# Altium PCB DemetrioGurgel - PCEIoT.PcbDoc (part 2 of 3)
Units mm, origin at the board's own origin, x right, y up, seen from the top; angles counter-clockwise.
Board outline 125 x 60 mm, 4 copper layers (Top Copper, Top Ref, Botton Ref, Bottom Copper), stack 1.586 mm thick; 153 components, 92 nets, 439 pads, 736 vias.
Unrouted connection lines stored in the file: 62.
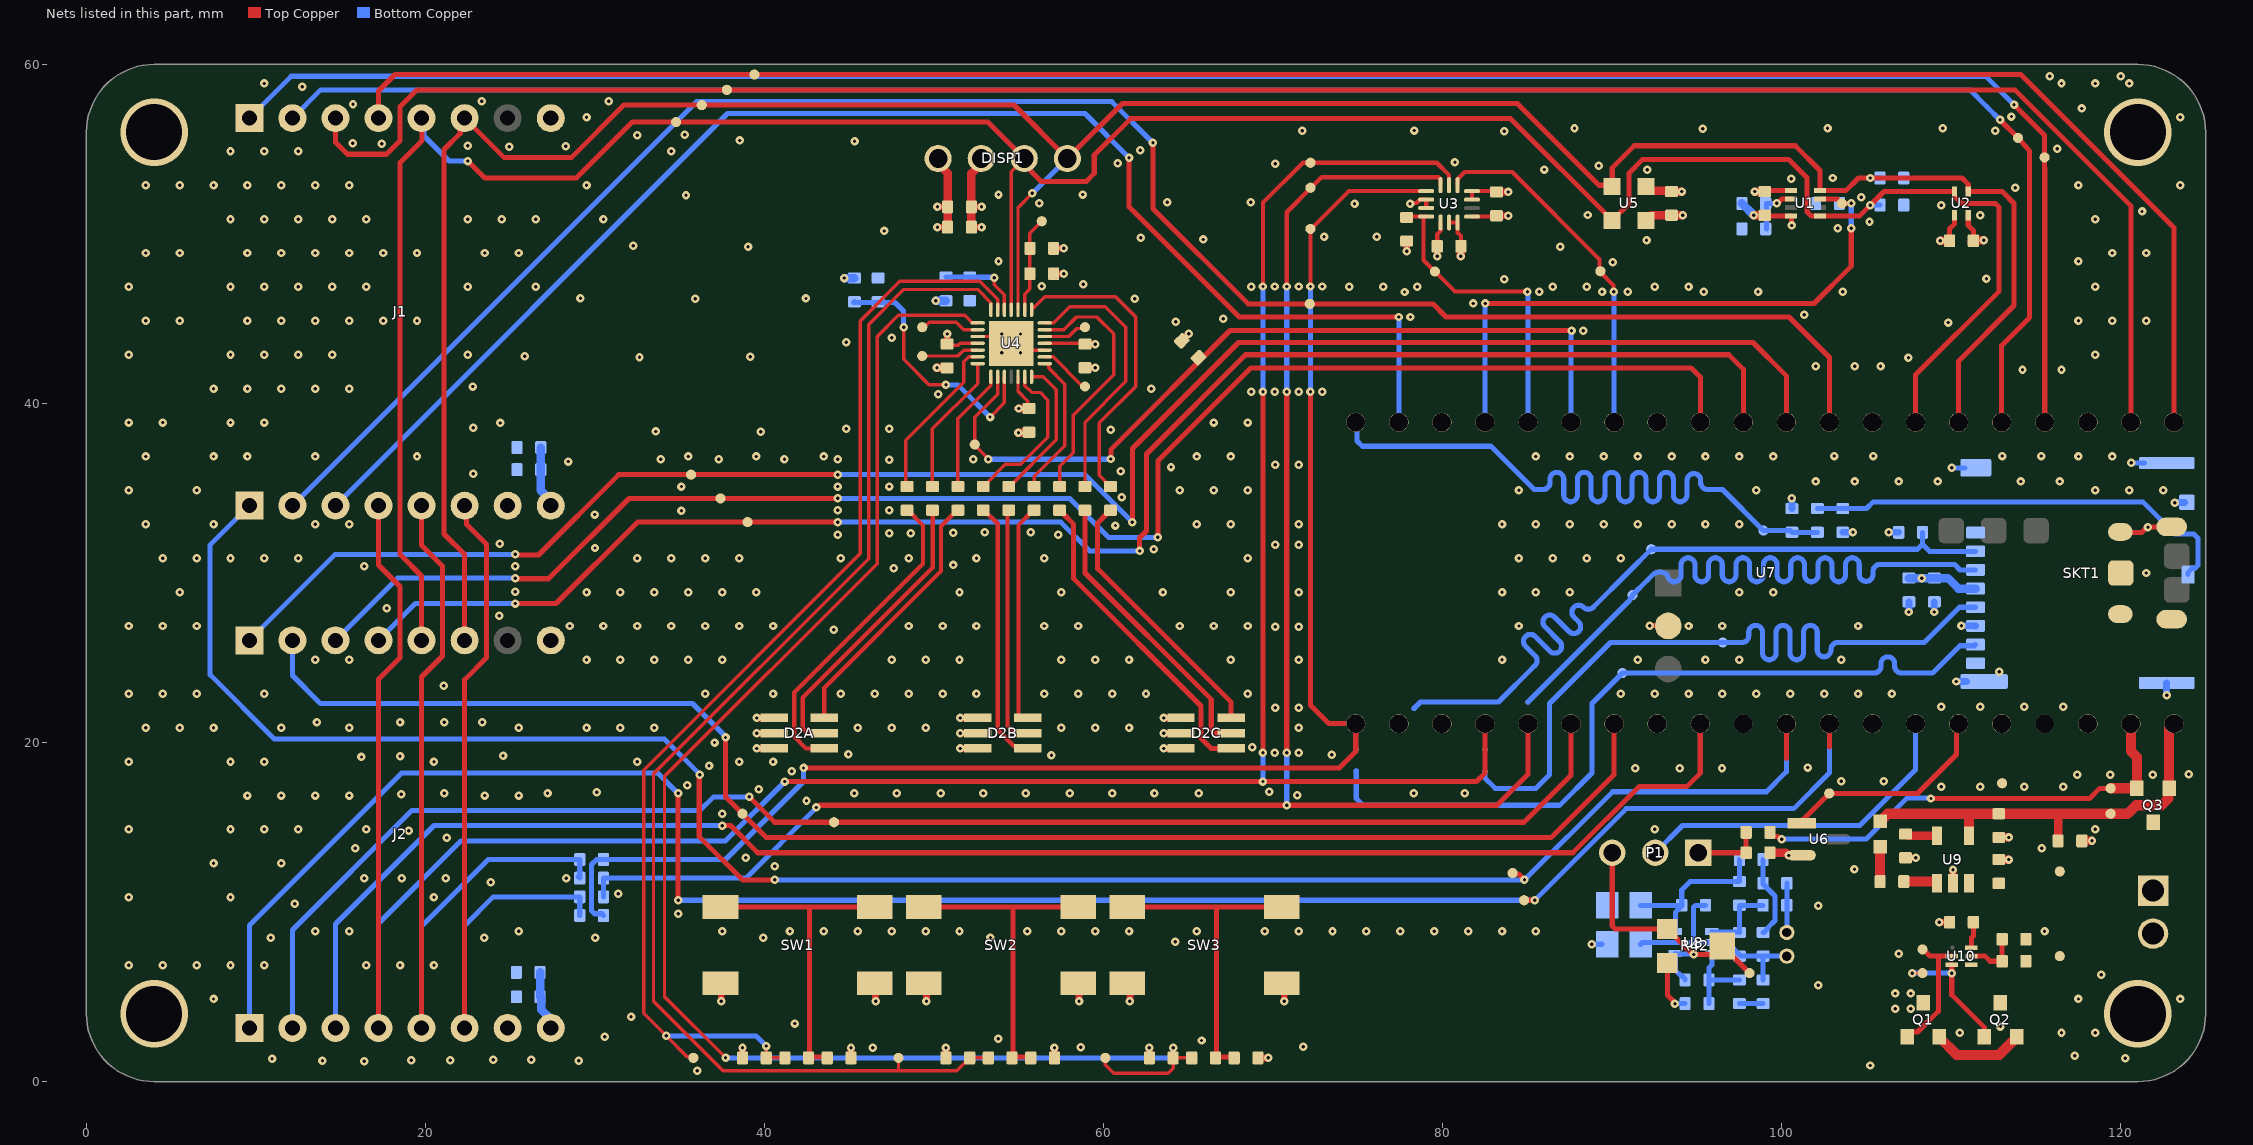
[diagram p4: the nets of this part, all layers, seen from the top]

## Part data
+3V3 AN1 AN2 BTN1 BTN2 BTN3 CLK COUT CS DI DO DOUT DT ICS IINT INT1 INT2 IO3 IO4 IO11 IO12 MISO MOSI OINT PWM1 PWM2 RST1 RST2 RX1 RX2 SCK SCL SDA SINT SOUT SRST TX1 TX2 VBAT+ VBAT- VBUS VREF VSYS: library part CMP-00028-00002-2, "0.6mm round", Pins=1
C1 C4 C5 C19: library part CMP-001-00084-1, "Multilayer Ceramic Capacitor, 0.01 uF, 50 V, ± 10%, X7R, 0603 [1608 Metric]", Case Code (Imperial)=0603, Case Code (Metric)=1608, Dielectric=X7R, Max Operating Temperature=125°C, Min Operating Temperature=-55°C, Package Quantity=1, Tolerance=10%, Voltage=50V, Case/Package=0603, Construction=Flat, Depth=0.8mm, Height=0.92mm, Lead Free="Lead Free", Length=1.6mm, Mounting Technology="Surface Mount", Packaging="Tape and Reel", Pins=2, Reach SVHC Compliant=Unknown, RoHS Compliant=Yes, Series=VJ, Termination=SMD/SMT, Thickness=0.036inch, Voltage Rating=50V, Voltage Rating (DC)=50V, Weight=7.1E-05oz, Width=0.031inch
C2 C3: library part CMP-001-00076-4, "Chip Capacitor, 4.7µF +/-20%, 10V, 0603, Thickness 1 mm", Case/Package=0603, Max Operating Temperature=85°C, Min Operating Temperature=-55°C, Tolerance=10%, Voltage Rating=10V, Mounting Technology=SMT, Pins=2
C6 C7 C9 C11 C12 C13 C14 C15 C16 C17 C18 C20 C21 C22 C23 C24 C25 C26 C27 C28 C29: library part CMP-001-00085-1, "Multilayer Ceramic Capacitor, 0.1 uF, 16 V, ± 20%, X7R, 0603 [1608 Metric]", Case Code (Imperial)=0603, Case Code (Metric)=1608, Dielectric=X7R, Dielectric Material=Tantalum, Max Operating Temperature=125°C, Min Operating Temperature=-55°C, Package Quantity=4000, Tolerance=20%, Voltage Rating=16V, Case/Package=0603, Construction=Flat, Depth=0.8mm, Height=0.95mm, Lead Free="Lead Free", Length=1.6mm, Mounting Technology="Surface Mount", Packaging="Tape and Reel", RoHS Compliant=Yes, Series=VJ, Termination=SMD/SMT, Voltage Rating (DC)=16V, Width=0.8mm
C30: library part CMP-001-00088-1, "Multilayer Ceramic Capacitor, 100 pF, 50 V, ï¿½ 10%, C0G (NP0), 0603 [1608 Metric]", Case Code (Imperial)=0603, Case Code (Metric)=1608, Dielectric=C0G, Dielectric Material=Ceramic, Max Operating Temperature=125°C, Min Operating Temperature=-55°C, Package Quantity=1, Temperature Coefficient=30ppm/°C, Tolerance=10%, Voltage Rating=50V, Case/Package=0603, Construction=Flat, Depth=0.8mm, Dissipation Factor=0.1%, Height=0.8mm, Lead Free="Lead Free", Lead Pitch=0.7mm, Length=1.6mm, Material=Ceramic, Mounting Technology="Surface Mount,PCB", Packaging="Tape and Reel", Radiation Hardening=No, Reach SVHC Compliant=No, RoHS Compliant=Yes, Series=C, Termination=SMD/SMT, Thickness=0.034inch, Voltage Rating (DC)=50V, Width=0.031inch
C31: library part CMP-001-00087-1, "Multilayer Ceramic Capacitor, 10 uF, 6.3 V, ± 20%, X5R, 0603 [1608 Metric]", Case Code (Imperial)=0603, Case Code (Metric)=1608, Dielectric=X5R, Max Operating Temperature=85°C, Min Operating Temperature=-55°C, Package Quantity=4000, Tolerance=20%, Voltage Rating=6.3V, Case/Package=0603, Height=0.8mm, Lead Free="Lead Free", Length=1.6mm, Mounting Technology="Surface Mount", Packaging="Cut Tape", RoHS Compliant=Yes, Series=GRM, Termination=Standard, Voltage Rating (DC)=6.3V, Weight=0.000222oz, Width=0.8mm
D2A D2B D2C: library part CMP-007-00036-1, "LED Tri-Color Blue/Green/Red 469nm/529nm/623nm Chip LED 6-Pin PLCC T/R", Case/Package=PLCC, Color=Blue,Green,Red, Forward Current=20mA, Forward Voltage=3.1V, Max Operating Temperature=100°C, Min Operating Temperature=-40°C, Package Quantity=2000, Reverse Voltage=4V, Contact Plating=Silver, Dominant Wavelength=469nm, Height=2mm, Length=3mm, Lens Size=2.3mm, Lens Style=Flat,Square,Diffused,Rectangular, Lens Transparency=Diffused, Luminous Intensity=384mcd, Mounting Technology="Surface Mount", Number of LEDs=3, Orientation="Top View", Packaging="Cut Tape", Pins=6, Reach SVHC Compliant=No, Series=-, Test Current=20mA, Viewing Angle=120°, Weight=40mg, Width=2.8mm
DISP1: library part CMP-003-00030-5, "0.96 Inch I2C OLED Display Module"
DS1: library part CMP-007-00004-2, "Chip LED, Red, 5 V, 25 mA, -40 to 85 degC, 2-Pin SMD (0603), RoHS, Tape and Reel", Case/Package=0603, Colour=Red, Forward Voltage=2.2V, Manufacturer="Everlight Electronics", Package Description="2-Pin Surface Mount Device, Body 1.6 x 0.8 mm", Datasheet URL=https://datasheet.ciiva.com/4688/el-19-217-r6c-al1m2vy-3tpdf-187026-4688713.pdf, Datasheet Version="Rev. 1, 01/2005", Lens Style=Clear, Manufacturer URL=http://www.everlight.com/, Mounting Technology=SM, Package Reference=0603, RoHS Compliant=False
J1 J2: library part CMP-002-00071-3, "MikroBus shield pico"
J3: library part CMP-002-00073-1, "Connector 250V AC/DC 5A 2P 1 Row PCB - Vertical Mounting Polyester White", Color=Beige, Contact Current Rating=5A, Flammability Rating="UL94 V-0", Housing Color=Natural, Max Operating Temperature=221°C, Min Operating Temperature=-67°C, Operating Supply Voltage=250V, Package Quantity=5000, Approvals=CSA, Backwall/Post Interruptions="No (Without)", Circuit Application=Signal, Connector System=Wire-to-Board, Connector Type=Connector,Pin,Plug,Header, Contact Material="Copper Alloy", Contact Mating Length=7.49mm, Contact Plating=Tin, Contact Post Length=3.56mm, Contact Retention="No (Without)", Contact Shape=Square, Contact Style=Straight, Current Rating=5A, Gender=Male, Height=7.87mm, Housing Material=Polyester, Lead Free="Lead Free", Length=7.62mm, Mating Alignment="No (Without)", Mating Connector Lock="Yes (With)", Mating Retention="No (Without)", Mounting Ears="No (Without)", Mounting Technology="Through Hole", Number of Contacts=2, Number of Positions=2, Number of Rows=1, Orientation=Straight, Panel Mount Retention="No (Without)", PCB Mount Alignment="No (Without)", PCB Mount Retention=Without, PCB Mounting Orientation=Vertical, PCB Thickness=0.063inch, Pitch=2.54mm, Plating=Tin, Plating Thickness=3.81um, Reach SVHC Compliant=Unknown, RoHS Compliant=Yes, Sealable="No (Without)", Series=MTA-100, Shrouded="No (Without)", Strain Relief="No (Without)", Tail Length=0.14inch, Termination=Solder, Voltage Rating=250V, Voltage Rating (AC)=250V, Voltage Rating (DC)=250V
L1 L2: library part CMP-006-00000-3, "IND, Chip Ferrite Bead, 330 Ohm, +/- 25%, 1.5 A, -55 to 125 degC, 0805 (2012 Metric), Tape and Reel", Case/Package=0805, Current Rating=1.5A, Manufacturer=Murata, Max Operating Temperature=125°C, Min Operating Temperature=-55°C, Package Description="2-Pin Surface Mount Device, Body 2 x1.25 mm", Package Quantity=4000, Resistance=90mohm, Tolerance=25%, Core Material=Ferrite, Datasheet URL=http://psearch.en.murata.com/inductor/product/LQG15HS15NJ02_.pdf, Datasheet Version=Nov-11, Impedance=330Ohm, Max Current Rating=1.5A, Mounting Technology=SM, Package Reference=0805, Packaging=TapeandReel, RoHS Compliant=True
MK1: library part CMP-010-000001-2, "4.0 mm, Omnidirectional, PCB Mount, 2.0 Vdc, Elecret Condenser Microphone", Clock Frequency=10kHz, Frequency=100Hz, Operating Supply Current=500uA, Operating Supply Voltage=2V, Package=None, Availability=Unavailable, Component Type=Standard, Design Item ID=CMEJ-0415-42-LP, Direction=Omnidirectional, Height=1.5mm, Length=4mm, MF="{'manufacturer': u'CUI'}", MP=CMEJ-0415-42-LP, Output Type=Analog, Pin Count=2, Price=None, Series=CMEJ, Shape=Circular, Source=CMEJ-0415-42-LP.SchLib, Termination="PC Pins", Voltage Rating=2V, Width=4mm
NT1 NT2 NT3 NT4: library part CMP-001-0003-6, "Net Tie 0.3mm"
P1: library part CMP-002-00076-1, "KK 254 Breakaway Header Vertical 3 Circuits 0.38um Gold Selective Plating Mating Pin 6.09mm", Color=Black, Contact Resistance=20mR, Current Rating=4A, Flammability Rating="UL94 V-0", Max Operating Temperature=75°C, Max Voltage Rating (AC)=250V, Min Operating Temperature=0°C, Package Quantity=1, Contact Material=Brass,Bronze, Contact Mating Length=0.24inch, Contact Plating=Gold, Contact Type="Male Pin", Depth=2.49mm, Gender=Male, Glow Wire Compliant=Non-compliant, Housing Color=Black, Housing Material=Nylon, Lead Free="Lead Free", Max Voltage Rating (DC)=250V, Mounting Technology="Through Hole", Number of Circuits=3, Number of Contacts=3, Number of Positions=3, Number of Rows=1, Orientation=Straight, Packaging=Bulk, Pitch=2.54mm, Radiation Hardening=No, Reach SVHC Compliant=Unknown, RoHS Compliant=Yes, Series="KK® 42375", Termination=Solder, Voltage Rating=250V, Voltage Rating (DC)=250V
Q1 Q2 Q3: library part CMP-013-00034-1, "NTRV4101PT1G P-channel MOSFET Transistor; 1.7 A; 20 V; 3-Pin SOT-23", Case/Package=SOT-23-3, Continuous Drain Current (ID)=3.2A, Drain to Source Resistance=70mR, Drain to Source Voltage (Vdss)=20V, Gate to Source Voltage (Vgs)=8V, Input Capacitance=675pF, Max Operating Temperature=150°C, Max Power Dissipation=420mW, Min Operating Temperature=-55°C, Package Quantity=3000, Power Dissipation=1.25W, Element Configuration=Single, Fall Time=21ns, Height=1.01mm, Lead Free="Lead Free", Length=3.04mm, Number of Elements=1, Packaging="Tape and Reel", Pins=3, Polarity=P-CHANNEL, Radiation Hardening=No, Rds On Max=85mR, Rise Time=12.6ns, RoHS Compliant=Yes, Series=-, Turn-Off Delay Time=30.2ns, Turn-On Delay Time=7.5ns, Width=1.4mm
R1 R38 R41 R45: library part CMP-009-00014-6, "Chip Resistor, 1 KOhm, +/-1%, 0.1 W, -55 to 155 degC, 0603 (1608 Metric)", Case/Package=0603, Max Operating Temperature=155°C, Min Operating Temperature=-55°C, Power=100mW, Tolerance=1%, Voltage Rating=50V, Mounting Technology=SM, Pins=2, RoHS Compliant=True
R2 R3 R4 R8 R11 R12 R13 R14 R18 R21 R22 R23 R26 R27 R36 R37 R44: library part CMP-009-00017-7, "Chip Resistor, 10 KOhm, +/- 1%, 01 W, -55 to 155 degC, 0603 (1608 Metric)", Case/Package=0603, Max Operating Temperature=155°C, Min Operating Temperature=-55°C, Power=100mW, Tolerance=1%, Voltage Rating=50V, Mounting Technology=SM, Pins=2, RoHS Compliant=True
R5 R6 R7 R9 R10 R19 R20 R24 R30 R31: library part CMP-009-00006-6, "Chip Resistor, 0 Ohm, 0.1 W, -55 to 155 degC, 0603 (1608 Metric)", Case/Package=0603, Max Operating Temperature=155°C, Min Operating Temperature=-55°C, Power=100mW, Tolerance=5%, Voltage Rating=50V, Mounting Technology=SM, Pins=2, RoHS Compliant=True
R15A R15B R15C: library part CMP-009-00179-1, "SMD Chip Resistor, 150 Ohm, ± 1%, 100 mW, 0603 [1608 Metric], Thick Film, General Purpose", Case Code (Imperial)=0603, Case Code (Metric)=1608, Max Operating Temperature=155°C, Max Power Dissipation=100mW, Min Operating Temperature=-55°C, Package Quantity=5000, Ratings=AEC-Q200, Resistance Tolerance=1%, Resistor Type="Thick Film", Temperature Coefficient=100ppm/°C, Voltage Rating=75V, Case/Package=0603, Construction=Rectangular, Contact Plating=Tin, Depth=0.85mm, Features="Automotive AEC-Q200", Height=0.45mm, Lead Free="Lead Free", Length=1.55mm, Military Standard=Not, Number of Terminations=2, Packaging="Tape and Reel", Power Rating=100mW, Radiation Hardening=No, Reach SVHC Compliant=Unknown, RoHS Compliant=Yes, Series=CRCW, Technology="THICK FILM", Termination=SMD/SMT, Tolerance=1%, Voltage Rating (DC)=75V, Weight=7.1E-05oz, Width=0.85mm
R16A R16B R16C R17A R17B R17C: library part CMP-009-00180-1, "SMD Chip Resistor, 50 Ohm, ± 1%, 100 mW, 0603 [1608 Metric], Thick Film, General Purpose", Case Code (Imperial)=0603, Case Code (Metric)=1608, Max Operating Temperature=155°C, Max Power Dissipation=100mW, Min Operating Temperature=-55°C, Package Quantity=5000, Resistance Tolerance=1%, Resistor Type="Thick Film", Temperature Coefficient=100ppm/°C, Voltage Rating=75V, Case/Package=0603, Contact Plating=Tin, Depth=0.85mm, Features="Automotive AEC-Q200", Height=0.45mm, Lead Free="Lead Free", Length=1.55mm, Number of Terminations=2, Packaging="Tape and Reel", Pins=2, Power Rating=100mW, Radiation Hardening=No, Reach SVHC Compliant=No, RoHS Compliant=Yes, Series=CRCW, Technology="THICK FILM", Termination=SMD/SMT, Tolerance=1%, Voltage Rating (DC)=75V, Weight=7.1E-05oz, Width=0.85mm
R32: library part CMP-009-00181-1, "SMD Chip Resistor, 2 kOhm, ï¿½ 1%, 100 mW, 0603 [1608 Metric], Thick Film, Precision", Case Code (Imperial)=0603, Case Code (Metric)=1608, Max Operating Temperature=155°C, Max Power Dissipation=100mW, Min Operating Temperature=-55°C, Package Quantity=1, Resistance Tolerance=1%, Resistor Type="Thick Film", Temperature Coefficient=100ppm/°C, Voltage Rating=75V, Voltage Rating (DC)=50V, Case/Package=0603, Construction=Rectangular, Contact Plating=Tin, Depth=0.8mm, Features="Automotive AEC-Q200", Height=0.022inch, Lead Free="Lead Free", Length=1.6mm, Military Standard=Not, Mounting Technology="Surface Mount", Number of Terminations=2, Packaging="Tape and Reel", Pins=2, Power Rating=100mW, Radiation Hardening=No, Reach SVHC Compliant=No, RoHS Compliant=Yes, Series=ERJ, Termination=SMD/SMT, Tolerance=1%, Width=0.8mm
R33: library part CMP-009-00182-1, "Res Thick Film 0603 470 Ohm 5% 0.1W(1/10W) ±200ppm/°C Pad SMD Automotive T/R", Case Code (Imperial)=0603, Case Code (Metric)=1608, Max Operating Temperature=155°C, Max Power Dissipation=100mW, Min Operating Temperature=-55°C, Package Quantity=5000, Ratings=AEC-Q200, Resistance Tolerance=5%, Resistor Type="Thick Film", Temperature Coefficient=200ppm/°C, Voltage Rating=75V, Case/Package=0603, Construction=Rectangular, Contact Plating=Tin, Depth=0.85mm, Features="Automotive AEC-Q200", Height=0.45mm, Lead Free="Lead Free", Length=1.55mm, Military Standard=Not, Number of Terminations=2, Packaging="Tape and Reel", Power Rating=100mW, Radiation Hardening=No, Reach SVHC Compliant=Unknown, RoHS Compliant=Yes, Series=CRCW, Technology="THICK FILM", Termination=SMD/SMT, Tolerance=5%, Weight=7.1E-05oz, Width=0.85mm, Working Voltage=75V
R34: library part CMP-009-00184-1, "SMD Chip Resistor, 330 Ohm, ± 1%, 100 mW, 0603 [1608 Metric], Thick Film, Precision", Case Code (Imperial)=0603, Case Code (Metric)=1608, Current Rating=500mA, Max Operating Temperature=155°C, Max Power Dissipation=100mW, Min Operating Temperature=-55°C, Package Quantity=5000, Resistance Tolerance=1%, Resistor Type="Thick Film", Temperature Coefficient=100ppm/°C, Voltage Rating=75V, Case/Package=0603, Construction=Rectangular, Contact Material=Copper, Contact Plating=Tin, Depth=0.8mm, Features="Automotive AEC-Q200", Gender=Male, Height=0.45mm, Lead Free="Lead Free", Lead Pitch=1.1mm, Length=1.6mm, Military Standard=Not, Mounting Technology="Surface Mount", Number of Terminations=2, Packaging="Tape and Reel", Pins=2, Power Rating=100mW, Radiation Hardening=No, Reach SVHC Compliant=No, RoHS Compliant=Yes, Series=ERJ, Termination=SMD/SMT, Tolerance=1%, Voltage Rating (DC)=75V, Weight=7.1E-05oz, Width=0.8mm
R35 R43: library part CMP-009-00186-1, "SMD Chip Resistor, 2.2 kOhm, ± 1%, 100 mW, 0603 [1608 Metric], Thick Film, General Purpose", Case Code (Imperial)=0603, Case Code (Metric)=1608, Max Operating Temperature=155°C, Max Power Dissipation=100mW, Min Operating Temperature=-55°C, Package Quantity=10, Ratings=AEC-Q200, Resistance Tolerance=1%, Resistor Type="Thick Film", Temperature Coefficient=100ppm/°C, Voltage Rating=75V, Case/Package=0603, Construction=Rectangular, Contact Plating=Tin, Depth=0.85mm, Features="Automotive AEC-Q200", Height=0.45mm, Lead Free="Lead Free", Length=1.55mm, Military Standard=Not, Number of Terminations=2, Packaging="Tape and Reel", Power Rating=100mW, Radiation Hardening=No, Reach SVHC Compliant=Unknown, RoHS Compliant=Yes, Series=CRCW, Technology="THICK FILM", Termination=SMD/SMT, Tolerance=1%, Voltage Rating (DC)=75V, Weight=7.1E-05oz, Width=0.033inch
R39 R40: library part CMP-009-00023-6, "Chip Resistor, 100 KOhm, +/- 1%, 0.1 W, -55 to 155 degC, 0603 (1608 Metric)", Case/Package=0603, Max Operating Temperature=155°C, Min Operating Temperature=-55°C, Power=100mW, Tolerance=1%, Voltage Rating=50V, Mounting Technology=SM, Pins=2, RoHS Compliant=True
R42: library part CMP-009-00187-1, "Cermet trimmer potentiometer, 100 kΩ, 0.1 W, SMD, on top, TC33X-2-104E", Max Operating Temperature=100°C, Max Power Dissipation=100mW, Min Operating Temperature=-40°C, Package Quantity=1, Resistance Tolerance=25%, Resistor Type=Carbon,Cermet, Temperature Coefficient=250ppm/°C, Voltage Rating (DC)=50V, Depth=3.8mm, Height=0.047inch, Length=0.15inch, Military Standard=Not, Mounting Technology="Surface Mount", Number of Turns=1, Packaging="Tape and Reel", Pins=2, Power Rating=100mW, Radiation Hardening=No, Reach SVHC Compliant=No, RoHS Compliant=Yes, Series=TC33, Termination="Foot Print", Tolerance=25%, Weight=29.4mg, Width=0.118inch
SKT1: library part CMP-002-00049-5, "Micro SD Card Connector, Pitch 1.1 mm, 8 Position, Height 1.4 mm, -25 to 85 degC, RoHS, Tape and Reel", Pins=14
SW1 SW2 SW3: library part CMP-011-00013-1, "Switch Tactile OFF (ON) SPST Round Button Gull Wing 0.05A 12VDC 1.57N SMD Loose Piece", Case/Package=SMD/SMT, Color=Black, Contact Current Rating=50mA, Insulation Resistance=100MR, Max Operating Temperature=85°C, Min Operating Temperature=-35°C, Operating Force=1.57N, Package Quantity=750, Voltage Rating=24V, Actuator Length=1.4mm, Actuator Material=Polyphenylene, Actuator Type=Standard, Contact Material="Copper Alloy,Silver", Contact Plating=Silver, Current Rating=50mA, Depth=10mm, ELV=Compliant, Illumination Type=Non-Illuminated,Illuminated, Lead Free="Lead Free", Length=6mm, Max Current Rating=50mA, Mechanical Life=100000Cycles, Mounting Technology="Surface Mount", Orientation=Straight, Packaging=Bulk, Reach SVHC Compliant=Unknown, RoHS Compliant=Yes, Series=FSMJSMA, Switch Function=Off-Mom, Switch Travel=0.25mm, Termination="Gull Wing", Throw Configuration=SPST, Voltage Rating (DC)=24V, Width=6mm
U1: library part CMP-010-00031-2, "High-speed high-precision digital ambient light sensor (ALS) 8-SOT-5X3 -40 to 85", Height=600um, Length=2.1mm, Pins=8, Thickness=550um, Width=1.2mm
U2: library part CMP-010-00033-3, "Humidity And Temperature Sensor"
U3: library part CMP-010-00032-3, "Mems Module, 1.71-3.6 V, Lga-14 Rohs Compliant: Yes", Min Operating Temperature=-40°C, Length=2.5mm, Width=3mm
U4: library part CMP-016-00011-5, "IC Gpio Expander I2C 16CH 28QFN / I2C Interface 5.5V 28-PIN Qfn-ut Ep T/r", Case/Package=QFN, Frequency=400kHz, Max Operating Temperature=85°C, Min Operating Temperature=-40°C, Interface=I2C, Lead Free="Lead Free", Mounting Technology="Surface Mount", Number of I/Os=16, Packaging="Cut Tape", Pins=28, RoHS Compliant=Yes, Series=-
U5: library part CMP-010-00027-2, "Pressure Sensor, Barometric, 300 mbar, 1200 mbar, QFN, 8, -40 C", Case/Package=QFN, Max Operating Temperature=85°C, Max Supply Voltage=3.6V, Min Operating Temperature=-40°C, Min Supply Voltage=1.8V, Supply Current=20.09uA, Height=1mm, Lead Free="Lead Free", Packaging="Cut Tape", Pins=8, Pressure Type=Barometric, Reach SVHC Compliant=No, RoHS Compliant=Yes
U6: library part CMP-004-00033-1, "LM4040 Series 2.5 V ±1 % Precision Micropower Shunt Voltage Reference - SOT-23", Case/Package=SOT-23, Cathode Current=70uA, Current Rating=15mA, Max Operating Temperature=85°C, Max Output Voltage=2.5V, Min Operating Temperature=-40°C, Output Voltage=10V, Package Quantity=3000, Supply Current=500nA, Temperature Coefficient=150ppm/°C, Tolerance=1%, Height=1.01mm, Lead Free="Lead Free", Length=2.92mm, Max Output current=15mA, Min Output Voltage=2.5V, Mounting Technology="Surface Mount", Output Current=15mA, Output Type=Fixed, Packaging="Tape and Reel", Pins=3, Radiation Hardening=No, Reach SVHC Compliant=No, Reference Type=Shunt, Reference Voltage=2.5V, RoHS Compliant=Yes, Series=-, Width=1.3mm
U7: library part CMP-006-000001-6, "Raspberry Pi Pico W RP2040", Package=None, Availability="In Stock", Check_prices=https://www.snapeda.com/parts/SC0918/Raspberry+Pi/view-part/?ref=eda, Component Type=Standard, Design Item ID=SC0918, MF="Raspberry Pi", MP=SC0918, Pin Count=53, Price=None, Purchase-URL=https://pricing.snapeda.com/search/part/SC0918/?ref=eda, SnapEDA_Link=https://www.snapeda.com/parts/SC0918/Raspberry+Pi/view-part/?ref=snap, Source=SC0918.SchLib
U8: library part CMP-00027-00002-4, "Audio Amp Microphone 1-CH Mono Class-AB 5-Pin SC-70 T/R", Max Operating Temperature=85°C, Max Supply Voltage=5.5V, Min Operating Temperature=-40°C, Min Supply Voltage=2.4V, Power Supply Rejection Ratio (PSRR)=112dB, Gain Bandwidth Product=600kHz, Mounting Technology="Surface Mount", Packaging="Tape and Reel", Radiation Hardening=No, RoHS Compliant=No, Series=-
U9: library part CMP-001-0001-1, "MCP73831 Series Single-Cell Li-Ion/Li-Polymer Battery Charge Controller SOT-23-5", Battery Pack Voltage=4.2V, Case/Package=SOT-23, Drain to Source Resistance=350mR, Max Charge Current=500mA, Max Operating Temperature=85°C, Max Output Voltage=4.5V, Max Power Dissipation=1.54W, Max Supply Voltage=6V, Min Operating Temperature=-40°C, Min Output Voltage=4.168V, Min Supply Voltage=3.75V, Voltage Rating=4.534V, Fault Protection="Over Voltage", Height=1.3mm, Lead Free="Lead Free", Length=3.1mm, Mounting Technology="Surface Mount", Number of Cells=1, Number of Channels=1, Number Of Outputs=1, Output Current=500mA, Output Voltage=4.2V, Packaging="Tape and Reel", Pins=5, Radiation Hardening=No, Reach SVHC Compliant=No, RoHS Compliant=Yes, Series=-, Termination=SMD/SMT, Weight=0.00709oz, Width=1.8mm
U10: library part CMP-001-0002-1, "Li-Ion/Li Polymer Advanced Single-Cell Battery Protector IC Family 6-WSON -40 to 85", Case/Package=WFDFN, Max Operating Temperature=85°C, Min Operating Temperature=-40°C, Operating Supply Voltage=8V, Package Quantity=3000, Contact Plating=Gold, Fault Protection="Over Current,Short Circuit,Over/Under Voltage", Height=800um, Lead Free="Lead Free", Length=1.5mm, Mounting Technology="Surface Mount", Number of Cells=1, Packaging="Tape and Reel", Pins=6, RoHS Compliant=Yes, Series=-, Thickness=750um, Weight=0.000342oz, Width=1.5mm

## Via types
v1: diameter 0.5, hole 0.2, Top Copper to Bottom Copper, tented both sides, 728 vias
v2: diameter 4, hole 3.3, Top Copper to Bottom Copper, 4 vias
v3: diameter 3.2, hole 2.5, Top Copper to Bottom Copper, 4 vias

## Nets (pads, with @x,y where several pads share a name; then routed paths per layer and width w, separated by ;. In a path a pad name is that pad's centre, name@x,y a point inside that pad or via, vN(x,y) a via of type N, cw(c..) or ccw(c..) an arc to the next point about the centre after c; other vN are vias at no path point)
+3V3: +3V3.1 C6.1 C9.1 C11.2 C12.2 C14.1 C15.1 C16.1 C17.1 C18.1 C20.1 C21.1 C22.1 C25.1 C26.1 C27.1 C28.1 DISP1.2 J1.7 J2.7 L1.2 R2.2 R3.2 R8.2 R10.1 R12.1 R13.2 R18.2 R19.1 R21.1 R22.2 R23.2 R24.1 R27.2 R36.2 SKT1.4 U1.1 U2.3 U3.5 U3.8 U4.4 U4.12 U4.18 U5.1 U7.36 | length 33.6
  Top Copper w0.2: C21.1@50.763,43.425 51.425,43.425 51.55,43.55 U4.4@52.575,43.55 ; U4.12@54.95,41.575 54.95,40.717 55.529,40.138 55.529,39.778 C20.1@55.604,39.704 ; U4.18@56.525,43.55 C22.1@58.904,43.55 ; C22.1@58.904,43.504 C22.1@58.957,43.45
  Top Copper w0.25: C12.2@79.675,49.275 79.675,49.975 79.875,50.175 U3.5@79.875,50.675 ; U3.8@81.725,51.025 83.125,51.025 C11.2@83.175,51.075
  Top Copper w0.3: C14.1@98.997,52.5 99.047,52.55 U1.1@100.637,52.55 ; C6.1@109.9,49.6 109.9,50.3 110.2,50.6 U2.3@110.2,51.1
  Top Copper w0.4: R13.2@45.1,1.4 v1(45.1,2) ; C21.1@50.771,43.5 v1(50.771,44.1) ; C17.1@52.2,50.4 v1(52.8,50.4) ; C18.1@52.2,51.6 v1(52.8,51.6) ; R27.2@57.05,47.65 v1(57.65,47.65) ; v1(57.1,2) 57.1,1.5 R3.2@57.15,1.45 ; C22.1@58.904,43.504 v1(59.504,43.504) ; R36.2@64.605,43.695 v1(65.029,44.119) ; R8.2@69.1,1.4 v1(69.7,1.4) ; v1(77.875,48.975) R21.1@77.875,49.575 ; v1(79.675,48.675) C12.2@79.675,49.275 ; C11.2@83.175,51.075 v1(83.875,51.075)
  Top Copper w0.5: C17.1@52.2,50.4 52.2,53.572 52.78,54.152 DISP1.2@52.78,54.45 ; v1(55.004,39.704) C20.1@55.604,39.704 ; U5.1@92,52.8 92.25,52.55 93.45,52.55 C9.1@93.5,52.5 v1(94.1,52.5) ; v1(98.397,52.5) C14.1@98.997,52.5 ; v1(109.35,49.6) C6.1@109.9,49.6
  Bottom Copper w0.4: R18.2@103.6,32.4 v1(104.2,32.4) ; v1(106.3,32.4) R2.2@106.9,32.4
  Bottom Copper w0.5: C15.1@107.5,29.7 v1(108.25,29.7) C16.1@109,29.7 109.8,29.7 110.42,29.08 SKT1.4@111.43,29.08
  other v1: 109.4,17.4 111.7,17.4 114.3,17.4 116.6,17.4 109.4,22.1 111.7,22.1 114.3,22.1 116.6,22.1 102,35.4 104.3,35.4 106.9,35.4 109.2,35.4 114.1,35.4 116.4,35.4 103.1,36.9 105.4,36.9 113,36.9 115.3,36.9 114.2,42 116.5,42 102,42.2 104.3,42.2 105.825,42.2
+3V3A: C13.1 L1.1 R1.2 R39.2 U8.5 | length 9.9
  Bottom Copper w0.3: L1.1@91.685,10.4 C13.1@94.1,10.4 ; U8.5@93.725,8.85 93.725,9.975 94.1,10.35 C13.1@94.1,10.4 ; R1.2@97.5,13.1 R39.2@97.5,11.8 94.6,11.8 94.1,11.3 C13.1@94.1,10.4
AGND: C7.1 C13.2 C31.1 L2.1 MK1.N R40.1 U8.2 | length 13.3
  Bottom Copper w0.3: L2.1@91.685,8.1 91.785,8.2 95,8.2 ; C13.2@95.5,10.4 94.917,10.4 94.8,10.283 94.8,8.4 95,8.2 ; C31.1@98.9,6 C7.1@98.9,7.4 ; MK1.N@100.3,7.4 C7.1@98.9,7.4 ; 95,8.2 U8.2@95.875,8.2 96.8,8.2 97.6,7.4 C7.1@98.9,7.4
BTN_1: BTN1.1 C5.2 R14.2 U4.27 | length 68.2
  Top Copper w0.2: BTN1.1@35.8,1.4 35.726,1.474 35.426,1.474 v1(34.2,2.7) 32.879,4.021 32.879,18.379 45.65,31.15 45.65,44.864 47.986,47.2 52.707,47.2 53.75,46.157 U4.27@53.75,45.525 ; v1(40.1,2.1) C5.2@40.1,1.4 R14.2@41.2,1.4
  Bottom Copper w0.3: v1(34.2,2.7) 39.5,2.7 v1(40.1,2.1)
BTN_2: BTN2.1 C1.2 R4.2 U4.28 | length 76.5
  Top Copper w0.2: BTN2.1@47.9,1.4 47.9,0.697 47.853,0.65 ; R4.2@53.2,1.4 C1.2@52.1,1.4 52.1,1.35 51.87,1.12 51.82,1.12 51.35,0.65 47.853,0.65 ; U4.28@53.35,45.525 53.35,45.95 52.575,46.725 48.218,46.725 46.15,44.657 46.15,30.85 33.45,18.15 33.45,4.75 37.55,0.65 47.853,0.65
BTN_3: BTN3.1 C4.2 R11.2 U4.1 | length 90
  Top Copper w0.2: v1(37.7,1.4) 34.1,5 34.1,18 46.65,30.55 46.65,43.95 47.9,45.2 51.8,45.2 52.25,44.75 U4.1@52.575,44.75 ; BTN3.1@60.1,1.6 60.1,1 60.6,0.5 63.8,0.5 64.1,0.8 C4.2@64.1,1.4 ; v1(64.1,2) C4.2@64.1,1.4 ; R11.2@65.2,1.4 C4.2@64.1,1.4
  Bottom Copper w0.3: v1(37.7,1.4) 63.924,1.4 64.1,1.576 v1(64.1,2)
CLK: CLK.1 NT2.2 SKT1.5 | length 45.9
  Bottom Copper w0.3: NT2.2@82.5,18.3 82.5,17.9 83.1,17.3 85.5,17.3 86.3,18.1 86.3,22.3 89.9,25.9 90.9,25.9 CLK.1@96.52,25.9 97.5,25.9 97.65,25.9 ccw(c97.65,26.304) 98.054,26.304 98.054,26.512 cw(c98.458,26.512) 98.862,26.512 98.862,25.288 ccw(c99.266,25.288) 99.67,25.288 99.67,26.512 cw(c100.074,26.512) 100.478,26.512 100.478,25.288 ccw(c100.882,25.288) 101.286,25.288 101.286,26.512 cw(c101.69,26.512) 102.094,26.512 102.094,25.462 ccw(c102.498,25.462) 102.902,25.462 102.902,25.496 cw(c103.306,25.496) 103.306,25.9 104.1,25.9 104.549,25.9 108.4,25.9 110.48,27.98 SKT1.5@111.43,27.98
CS: CS.1 NT1.2 R2.1 SKT1.2 | length 45.6
  Bottom Copper w0.3: NT1.2@78.31,22.011 78.691,22.392 83.292,22.392 85.344,24.444 85.45,24.55 ccw(c85.165,24.836) 85.45,25.122 84.886,25.686 cw(c85.172,25.972) 84.886,26.257 cw(c85.172,25.972) 85.457,26.257 86.323,25.392 ccw(c86.608,25.677) 86.894,25.392 ccw(c86.608,25.677) 86.894,25.963 86.029,26.829 cw(c86.314,27.114) 86.029,27.4 cw(c86.314,27.114) 86.6,27.4 87.451,26.549 ccw(c87.737,26.835) 88.022,26.549 ccw(c87.737,26.835) 88.022,27.12 87.736,27.407 cw(c88.021,27.693) 87.736,27.978 cw(c88.021,27.693) 88.307,27.978 ccw(c88.593,28.264) 88.878,27.978 90.936,30.036 CS.1@92.3,31.4 108,31.4 108.3,31.7 ; R2.1@108.3,32.4 108.3,31.7 ; SKT1.2@111.43,31.28 108.72,31.28 108.3,31.7
DET_SW: C19.2 DT.1 R26.1 U7.20 | length 45.6
  Bottom Copper w0.3: U7.20@74.872,38.893 74.945,38.82 74.945,37.791 75.26,37.475 82.851,37.475 85.401,34.925 85.776,34.925 85.926,34.925 ccw(c85.926,35.329) 86.33,35.329 86.33,35.537 cw(c86.734,35.537) 87.138,35.537 87.138,34.606 ccw(c87.542,34.606) 87.946,34.606 87.946,35.537 cw(c88.35,35.537) 88.754,35.537 88.754,34.606 ccw(c89.158,34.606) 89.562,34.606 89.562,35.537 cw(c89.966,35.537) 90.37,35.537 90.37,34.606 ccw(c90.774,34.606) 91.178,34.606 91.178,35.537 cw(c91.582,35.537) 91.986,35.537 91.986,34.606 ccw(c92.39,34.606) 92.794,34.606 92.794,35.537 cw(c93.198,35.537) 93.602,35.537 93.602,34.606 ccw(c94.006,34.606) 94.41,34.606 94.41,35.46 cw(c94.814,35.46) 95.218,35.46 95.218,35.329 ccw(c95.622,35.329) 95.622,34.925 96.5,34.925 DT.1@98.926,32.499 100.501,32.499 C19.2@100.6,32.4 R26.1@102.1,32.4
DI: DI.1 NT3.2 SKT1.3 | length 45.6
  Bottom Copper w0.3: NT3.2@85.027,22.388 91.05,28.411 91.05,28.469 91.2,28.619 DI.1@91.2,28.7 92.1,29.6 92.452,29.952 cw(c92.812,29.364) 93.26,29.888 ccw(c93.664,29.888) 94.068,29.888 94.068,30.496 cw(c94.472,30.496) 94.876,30.496 94.876,29.888 ccw(c95.28,29.888) 95.684,29.888 95.684,30.496 cw(c96.088,30.496) 96.492,30.496 96.492,29.888 ccw(c96.896,29.888) 97.3,29.888 97.3,30.496 cw(c97.704,30.496) 98.108,30.496 98.108,29.888 ccw(c98.512,29.888) 98.916,29.888 98.916,30.496 cw(c99.32,30.496) 99.724,30.496 99.724,29.888 ccw(c100.128,29.888) 100.532,29.888 100.532,30.496 cw(c100.936,30.496) 101.34,30.496 101.34,29.888 ccw(c101.744,29.888) 102.148,29.888 102.148,30.496 cw(c102.552,30.496) 102.956,30.496 102.956,29.888 ccw(c103.36,29.888) 103.764,29.888 103.764,30.496 cw(c104.168,30.496) 104.572,30.496 104.572,29.912 ccw(c104.976,29.912) 105.38,29.912 105.38,30.096 cw(c105.784,30.096) 105.784,30.5 106.701,30.5 110.2,30.5 110.52,30.18 SKT1.3@111.43,30.18
DO: DO.1 NT4.2 SKT1.7 | length 45.9
  Bottom Copper w0.3: NT4.2@74.9,18.33 74.9,16.7 75.3,16.3 86.9,16.3 88.8,18.2 88.8,22.3 DO.1@90.6,24.1 105.3,24.1 105.45,24.1 ccw(c105.45,24.504) 105.854,24.504 105.854,24.655 cw(c106.258,24.655) 106.662,24.655 106.662,24.504 ccw(c107.066,24.504) 107.066,24.1 107.885,24.1 108.9,24.1 110.507,25.707 111.357,25.707 SKT1.7@111.43,25.78
GND: C1.1 C2.2 C3.2 C4.1 C5.1 C6.2 C9.2 C11.1 C12.1 C14.2 C15.2 C16.2 C17.2 C18.2 C19.1 C20.2 C21.2 C22.2 C23.2 C25.2 C26.2 C27.2 C28.2 D2A.1 D2A.2 D2A.3 D2B.1 D2B.2 D2B.3 D2C.1 D2C.2 D2C.3 DISP1.1 J1.8 J1.9 J2.8 J2.9 L2.2 Q1.3 R20.2 R30.2 R31.2 R32.1 R35.1 R37.2 R45.1 SKT1.6 SKT1.10 SKT1.11 SKT1.12 SKT1.13 SKT1.14 SW1.3 SW1.4 SW2.3 SW2.4 SW3.3 SW3.4 U1.4 U2.4 U3.2 U3.3 U3.6 U3.7 U3.10 U3.11 U4.3 U4.17 U4.29 U5.4 U6.2 U7.3 U7.8 U7.13 U7.18 U7.23 U7.28 U7.33 U7.38 U7.A U7.B U7.C U7.D U7.F U7.TP1 U9.2 | length 63
  Top Copper w0.2: U4.3@52.575,43.95 54.15,43.95 U4.29@54.55,43.55 54.95,43.15 U4.17@56.525,43.15
  Top Copper w0.25: v1@78.075,51.871 78.1,51.846 v1@78.167,51.846 ; v1@78.096,51.775 v1(78.075,51.775) 78.123,51.823 78.473,51.823 78.675,52.025 U3.2@79.025,52.025 U3.3@79.025,51.525 ; U3.6@80.375,50.675 U3.7@80.875,50.675 80.875,50.075 81.075,49.875 C12.1@81.075,49.275 ; U3.10@81.725,52.025 U3.11@81.725,52.525 83.125,52.525 C11.1@83.175,52.475
  Top Copper w0.3: C20.2@55.577,38.277 C20.2@55.604,38.304 ; C23.2@57.05,49.1 C23.2@57.05,49.15 ; C22.2@58.904,42.104 C22.2@58.927,42.127 ; v1(92.224,26.9) U7.F@93,26.9 ; C14.2@99.047,51.05 U1.4@100.537,51.05 100.567,51.05 100.567,50.53 v1(100.597,50.5) ; U2.4@111,51.1 111,50.5 111.3,50.2 C6.2@111.3,49.6 ; U7.C@120.6,32.4 121.246,32.4 121.546,32.7 v1(121.6,32.7) 121.613,32.713 123.188,32.713 U7.A@123.2,32.725
  Top Copper w0.4: v1(37.45,4.75) SW1.3@37.45,5.35 ; C5.1@38.7,1.4 v1(38.7,2) ; v1(39.55,19.65) D2A.3@40.15,19.65 ; v1(39.55,20.55) D2A.2@40.15,20.55 ; v1(39.55,21.45) D2A.1@40.15,21.45 ; v1(46.55,4.75) SW1.4@46.55,5.35 ; v1(49.55,4.75) SW2.3@49.55,5.35 ; v1(50.2,50.4) C17.2@50.8,50.4 ; v1(50.2,51.6) C18.2@50.8,51.6 ; C1.1@50.7,1.4 v1(50.7,2) ; v1(51.55,19.65) D2B.3@52.15,19.65 ; v1(51.55,20.55) D2B.2@52.15,20.55 ; v1(51.55,21.45) D2B.1@52.15,21.45 ; C23.2@57.05,49.15 v1(57.65,49.15) ; v1(58.55,4.75) SW2.4@58.55,5.7 ; C22.2@58.904,42.104 v1(59.504,42.104) ; v1(61.55,4.75) SW3.3@61.55,5.35 ; C4.1@62.7,1.4 v1(62.7,2) ; v1(63.55,19.65) D2C.3@64.15,19.65 ; v1(63.55,20.55) D2C.2@64.15,20.55 ; v1(63.55,21.45) D2C.1@64.15,21.45 ; v1@70.65,4.75 SW3.4@70.65,5.35 ; C11.1@83.175,52.475 v1(83.875,52.475) ; R32.1@107.3,13.2 v1(107.9,13.2) ; v1(109.299,9.4) R35.1@109.9,9.4 ; U9.2@110.1,11.9 v1(110.1,12.5)
  Top Copper w0.5: v1(50.171,42.1) C21.2@50.771,42.1 ; DISP1.1@50.24,54.45 50.24,54.152 50.8,53.592 C17.2@50.8,50.4 ; v1(54.977,38.277) C20.2@55.577,38.277 ; v1(81.075,48.675) C12.1@81.075,49.275 ; U5.4@92,50.8 92.3,51.1 C9.2@93.5,51.1 v1(94.15,51.1) ; v1(98.35,51.1) 98.867,51.1 C14.2@98.997,51.1 C14.2@99.047,51.05 ; R45.1@99.3,13.5 100.245,13.5 v1(100.405,13.34) U6.2@101.055,13.34 ; C6.2@111.22,49.52 C6.2@111.3,49.6 111.355,49.6 111.38,49.625 v1(111.925,49.625) ; C3.2@112.801,13.1 v1(113.4,13.1) ; C2.2@112.8,14.4 v1(113.4,14.4) ; R37.2@117.7,14.2 v1(118.3,14.2) ; U7.D@119.985,27.59 U7.D@119.97,27.575 U7.D@120.319,27.575